# Altium PCB Copy of Main.PcbDoc (part 3 of 6)
Units mm, origin at the board's own origin, x right, y up, seen from the top; angles counter-clockwise.
Board outline 181.65 x 83.38 mm, 6 copper layers (Top Layer, Signal 1, GND, VCC, Signal 2, Bottom Layer), stack 0.816 mm thick; 297 components, 263 nets, 1171 pads, 811 vias.
Unrouted connection lines stored in the file: 292.
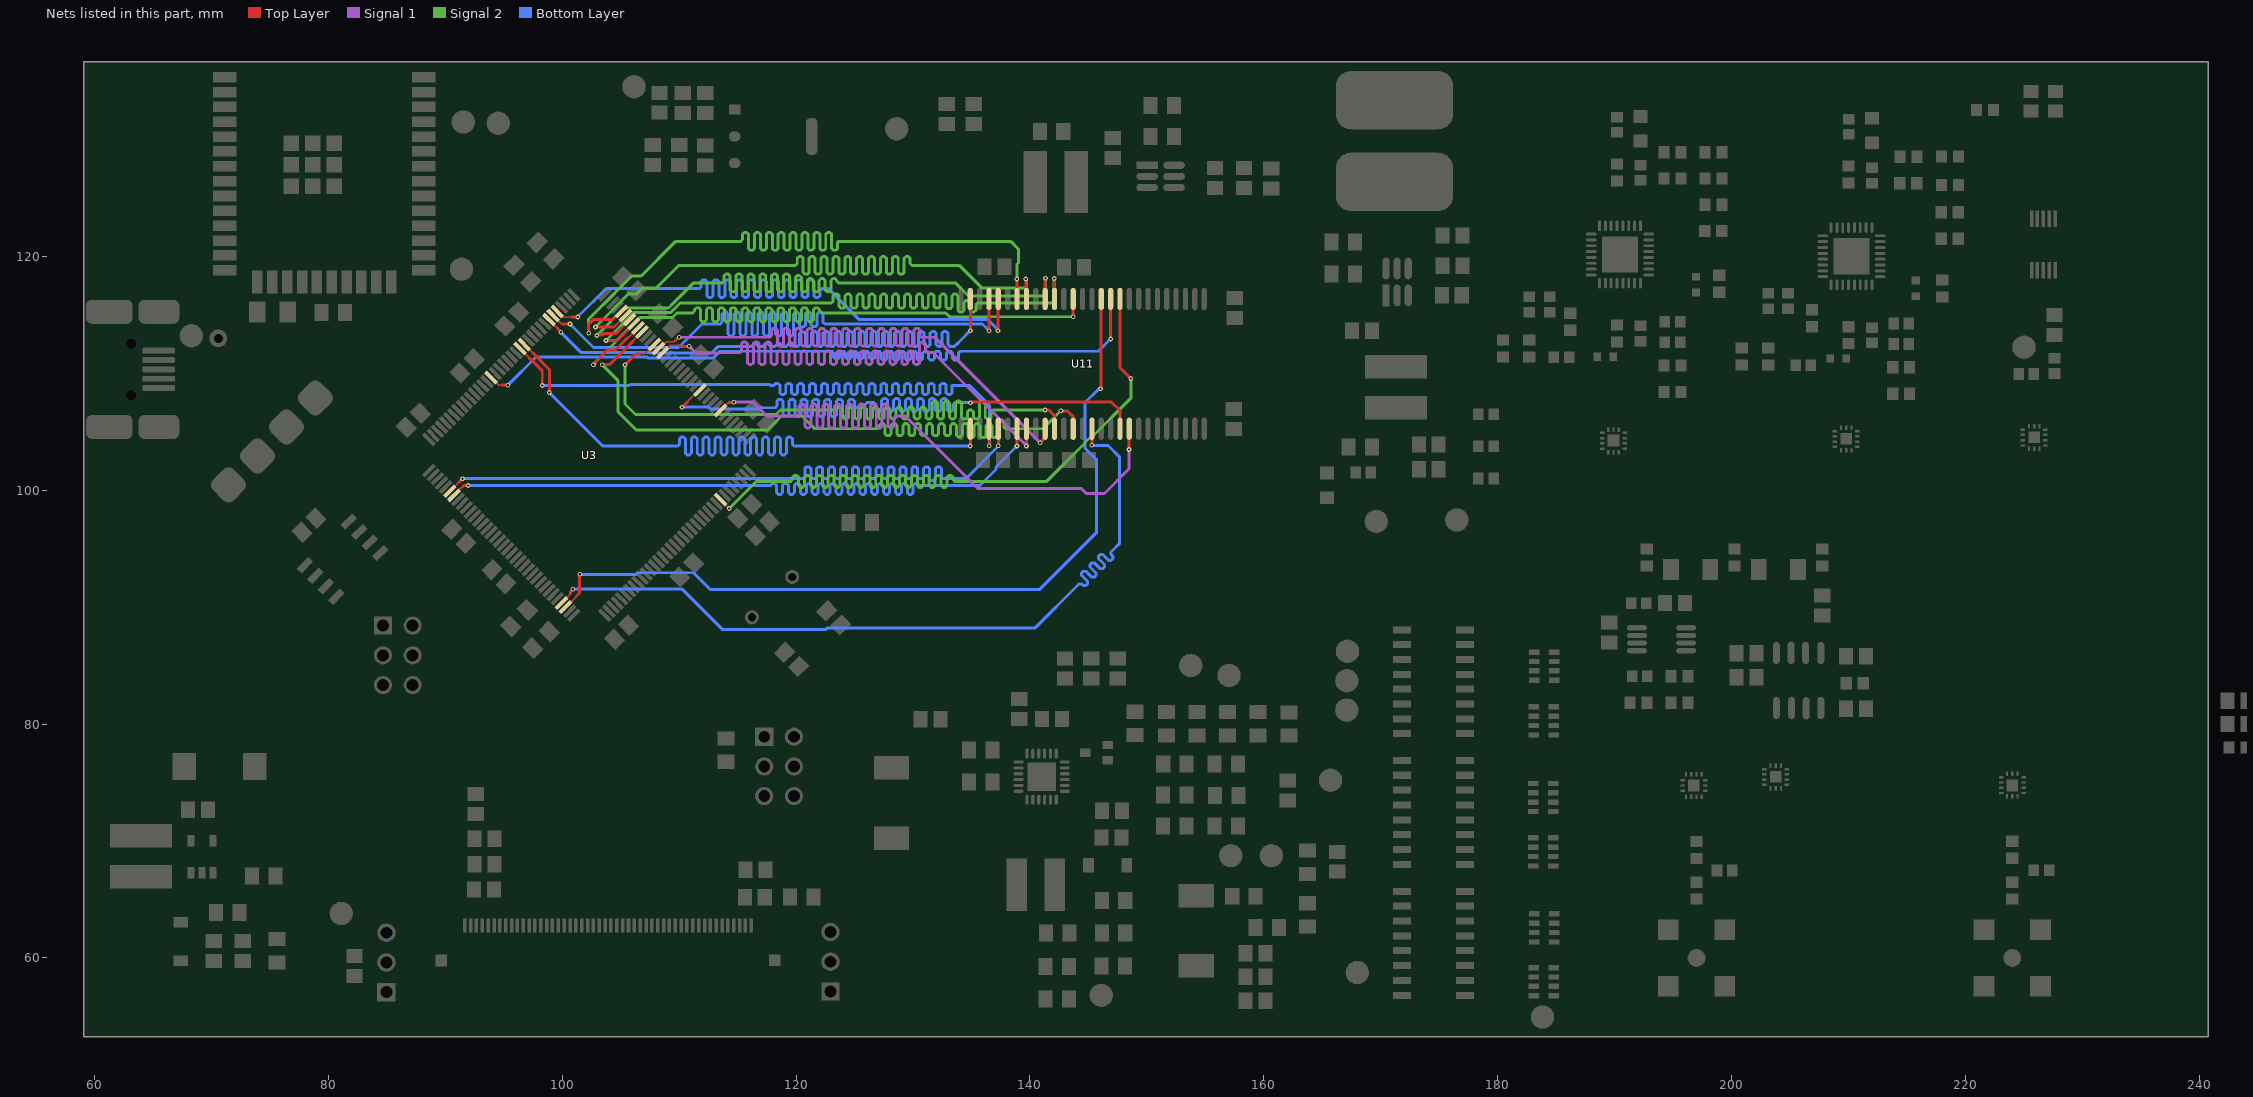
[diagram p6: the nets of this part, all layers, seen from the top]

## Via types
v1: diameter 0.8, hole 0.6, Top Layer to Bottom Layer, tented both sides, 397 vias
v2: diameter 0.45, hole 0.2, Top Layer to Bottom Layer, tented both sides, 228 vias
v3: diameter 0.4, hole 0.2, Top Layer to Bottom Layer, tented both sides, 138 vias
v4: diameter 0.45, hole 0.2, Top Layer to Bottom Layer, 25 vias
v5: diameter 0.5, hole 0.2, Top Layer to Bottom Layer, tented both sides, 23 vias

## Nets (pads, with @x,y where several pads share a name; then routed paths per layer and width w, separated by ;. In a path a pad name is that pad's centre, name@x,y a point inside that pad or via, vN(x,y) a via of type N, cw(c..) or ccw(c..) an arc to the next point about the centre after c; other vN are vias at no path point) (continued)
FMC_CKE: U3.29 U11.37 | length 70.6
  Top Layer w0.127: U3.29@113.55,99.199 113.55,99.175 114.15,98.575
  Top Layer w0.254: 114.15,98.575 v3(114.3,98.425) ; U11.37@147.7,116.35 147.7,110.475 v3(148.625,109.55)
  Signal 2 w0.254: v3(114.3,98.425) 116.625,100.75 119.45,100.75 119.552,100.75 119.704,100.902 119.704,101.106 119.856,101.258 120.06,101.258 120.212,101.106 120.212,100.75 120.212,100.394 120.364,100.242 120.568,100.242 120.72,100.394 120.72,100.75 120.72,101.106 120.872,101.258 121.076,101.258 121.228,101.106 121.228,100.75 121.228,100.394 121.38,100.242 121.584,100.242 121.736,100.394 121.736,100.75 121.736,101.106 121.888,101.258 122.092,101.258 122.244,101.106 122.244,100.75 122.244,100.394 122.396,100.242 122.6,100.242 122.752,100.394 122.752,100.75 122.752,101.106 122.904,101.258 123.108,101.258 123.26,101.106 123.26,100.75 123.26,100.394 123.412,100.242 123.616,100.242 123.768,100.394 123.768,100.75 123.768,101.106 123.92,101.258 124.124,101.258 124.276,101.106 124.276,100.75 124.276,100.394 124.428,100.242 124.632,100.242 124.784,100.394 124.784,100.75 124.784,101.106 124.936,101.258 125.14,101.258 125.292,101.106 125.292,100.75 125.292,100.394 125.444,100.242 125.648,100.242 125.8,100.394 125.8,100.75 125.8,101.106 125.952,101.258 126.156,101.258 126.308,101.106 126.308,100.75 126.308,100.394 126.46,100.242 126.664,100.242 126.816,100.394 126.816,100.75 126.816,101.106 126.968,101.258 127.172,101.258 127.324,101.106 127.324,100.75 127.324,100.394 127.476,100.242 127.68,100.242 127.832,100.394 127.832,100.75 127.832,101.106 127.984,101.258 128.188,101.258 128.34,101.106 128.34,100.75 128.34,100.394 128.492,100.242 128.696,100.242 128.848,100.394 128.848,100.75 128.848,101.106 129,101.258 129.204,101.258 129.356,101.106 129.356,100.75 129.356,100.394 129.508,100.242 129.712,100.242 129.864,100.394 129.864,100.75 129.864,101.106 130.016,101.258 130.22,101.258 130.372,101.106 130.372,100.75 130.372,100.394 130.524,100.242 130.728,100.242 130.88,100.394 130.88,100.75 130.88,101.106 131.032,101.258 131.236,101.258 131.388,101.106 131.388,100.75 131.388,100.394 131.54,100.242 131.744,100.242 131.896,100.394 131.896,100.75 131.896,101.106 132.048,101.258 132.252,101.258 132.404,101.106 132.404,100.75 132.404,100.394 132.556,100.242 132.76,100.242 132.912,100.394 132.912,100.75 132.912,101.106 133.064,101.258 133.268,101.258 133.42,101.106 133.42,100.902 133.572,100.75 133.775,100.75 141.432,100.75 144.719,104.037 144.719,104.066 145.059,104.406 145.181,104.406 148.625,107.85 v3(148.625,109.55)
FMC_CLK: U3.93 U11.38 | length 70.4
  Top Layer w0.127: U3.93@93.928,109.629 94.582,108.975 94.8,108.975
  Top Layer w0.254: 94.8,108.975 v3(95.35,108.975) ; v3(146.9,112.925) U11.38@146.9,116.35
  Bottom Layer w0.254: v3(95.35,108.975) 97.756,111.381 107.291,111.381 107.357,111.315 112.943,111.315 113.503,111.875 122.45,111.875 122.704,111.875 123.06,111.875 123.212,111.723 123.212,111.367 123.364,111.215 123.568,111.215 123.72,111.367 123.72,111.723 123.872,111.875 124.076,111.875 124.228,111.723 124.228,111.367 124.38,111.215 124.584,111.215 124.736,111.367 124.736,111.723 124.888,111.875 125.092,111.875 125.244,111.723 125.244,111.367 125.396,111.215 125.6,111.215 125.752,111.367 125.752,111.723 125.904,111.875 126.108,111.875 126.26,111.723 126.26,111.367 126.412,111.215 126.616,111.215 126.768,111.367 126.768,111.723 126.92,111.875 127.124,111.875 127.276,111.723 127.276,111.265 127.428,111.113 127.632,111.113 127.784,111.265 127.784,111.723 127.936,111.875 128.14,111.875 128.292,111.723 128.292,111.265 128.444,111.113 128.648,111.113 128.8,111.265 128.8,111.723 128.952,111.875 129.156,111.875 129.308,111.723 129.308,111.265 129.46,111.113 129.664,111.113 129.816,111.265 129.816,111.723 129.968,111.875 130.172,111.875 130.324,111.723 130.324,111.265 130.476,111.113 130.68,111.113 130.832,111.265 130.832,111.723 130.984,111.875 131.188,111.875 131.34,111.723 131.34,111.265 131.492,111.113 131.696,111.113 131.848,111.265 131.848,111.723 132,111.875 132.204,111.875 132.356,111.723 132.356,111.265 132.508,111.113 132.712,111.113 132.864,111.265 132.864,111.723 133.016,111.875 133.22,111.875 133.372,111.723 133.372,111.265 133.524,111.113 133.728,111.113 133.88,111.265 133.88,111.723 134.032,111.875 134.25,111.875 145.85,111.875 v3(146.9,112.925)
FMC_CS: U3.44 U11.19 | length 72.2
  Top Layer w0.127: U3.44@113.55,106.801 114.25,107.5 114.275,107.5
  Top Layer w0.254: 114.275,107.5 114.65,107.5 v3(114.675,107.525) ; v3(148.475,103.475) 148.487,103.487 148.487,105.238 U11.19@148.5,105.25
  Signal 1 w0.254: v3(114.675,107.525) 116.318,107.525 117.507,106.336 120.001,106.336 120.103,106.336 120.255,106.489 120.255,107.2 120.408,107.352 120.611,107.352 120.763,107.2 120.763,106.336 120.763,105.473 120.916,105.32 121.119,105.32 121.271,105.473 121.271,106.336 121.271,107.2 121.424,107.352 121.627,107.352 121.779,107.2 121.779,106.336 121.779,105.473 121.932,105.32 122.135,105.32 122.287,105.473 122.287,106.336 122.287,107.2 122.44,107.352 122.643,107.352 122.795,107.2 122.795,106.336 122.795,105.473 122.948,105.32 123.151,105.32 123.303,105.473 123.303,106.336 123.303,107.2 123.456,107.352 123.659,107.352 123.811,107.2 123.811,106.336 123.811,105.473 123.964,105.32 124.167,105.32 124.319,105.473 124.319,106.336 124.319,107.2 124.472,107.352 124.675,107.352 124.827,107.2 124.827,106.336 124.827,105.473 124.98,105.32 125.183,105.32 125.335,105.473 125.335,106.336 125.335,107.2 125.488,107.352 125.691,107.352 125.843,107.2 125.843,106.336 125.843,105.473 125.996,105.32 126.199,105.32 126.351,105.473 126.351,106.336 126.351,107.2 126.504,107.352 126.707,107.352 126.859,107.2 126.859,106.336 126.859,105.473 127.012,105.32 127.215,105.32 127.367,105.473 127.367,106.336 127.367,107.2 127.52,107.352 127.723,107.352 127.875,107.2 127.875,106.336 127.875,105.473 128.028,105.32 128.231,105.32 128.383,105.473 128.383,106.184 128.536,106.336 128.559,106.336 129.339,106.336 135.55,100.125 144.409,100.125 144.815,99.719 146.369,99.719 148.475,101.825 v3(148.475,103.475)
FMC_D0: U3.85 U11.2 | length 69.8
  Top Layer w0.127: U3.85@96.757,112.458 97.514,111.7 97.525,111.7
  Top Layer w0.254: 97.525,111.7 98.9,110.325 v3(98.9,108.35) ; v3(134.9,103.775) U11.2@134.9,105.25
  Bottom Layer w0.254: v3(98.9,108.35) 103.475,103.775 109.775,103.775 109.877,103.775 110.029,103.927 110.029,104.385 110.181,104.537 110.385,104.537 110.537,104.385 110.537,103.775 110.537,103.165 110.689,103.013 110.893,103.013 111.045,103.165 111.045,103.775 111.045,104.385 111.197,104.537 111.401,104.537 111.553,104.385 111.553,103.775 111.553,103.165 111.705,103.013 111.909,103.013 112.061,103.165 112.061,103.775 112.061,104.385 112.213,104.537 112.417,104.537 112.569,104.385 112.569,103.775 112.569,103.165 112.721,103.013 112.925,103.013 113.077,103.165 113.077,103.775 113.077,104.385 113.229,104.537 113.433,104.537 113.585,104.385 113.585,103.775 113.585,103.165 113.737,103.013 113.941,103.013 114.093,103.165 114.093,103.775 114.093,104.385 114.245,104.537 114.449,104.537 114.601,104.385 114.601,103.775 114.601,103.165 114.753,103.013 114.957,103.013 115.109,103.165 115.109,103.775 115.109,104.385 115.261,104.537 115.465,104.537 115.617,104.385 115.617,103.775 115.617,103.165 115.769,103.013 115.973,103.013 116.125,103.165 116.125,103.775 116.125,104.385 116.277,104.537 116.481,104.537 116.633,104.385 116.633,103.775 116.633,103.165 116.785,103.013 116.989,103.013 117.141,103.165 117.141,103.775 117.141,104.385 117.293,104.537 117.497,104.537 117.649,104.385 117.649,103.775 117.649,103.165 117.801,103.013 118.005,103.013 118.157,103.165 118.157,103.775 118.157,104.385 118.309,104.537 118.513,104.537 118.665,104.385 118.665,103.775 118.665,103.165 118.817,103.013 119.021,103.013 119.173,103.165 119.173,103.775 119.173,104.385 119.325,104.537 119.529,104.537 119.681,104.385 119.681,103.927 119.833,103.775 119.995,103.775 v3(134.9,103.775)
FMC_D1: U3.86 U11.4 | length 71.2
  Top Layer w0.127: U3.86@96.403,112.104 97.225,111.282 97.225,111.275
  Top Layer w0.254: 97.225,111.275 98.3,110.2 v3(98.3,108.95) ; U11.4@136.5,105.25 136.513,105.238 136.513,103.813 v3(136.525,103.8)
  Bottom Layer w0.254: v3(98.3,108.95) 105.728,108.95 105.815,109.036 117.745,109.036 117.85,108.931 118.06,108.931 118.104,108.975 118.256,109.127 118.46,109.127 118.612,108.975 118.612,108.931 118.612,108.321 118.764,108.169 118.968,108.169 119.12,108.321 119.12,108.931 119.12,108.975 119.272,109.127 119.476,109.127 119.628,108.975 119.628,108.931 119.628,108.321 119.78,108.169 119.984,108.169 120.136,108.321 120.136,108.931 120.136,108.975 120.288,109.127 120.492,109.127 120.644,108.975 120.644,108.931 120.644,108.321 120.796,108.169 121,108.169 121.152,108.321 121.152,108.931 121.152,108.975 121.304,109.127 121.508,109.127 121.66,108.975 121.66,108.931 121.66,108.321 121.812,108.169 122.016,108.169 122.168,108.321 122.168,108.931 122.168,108.975 122.32,109.127 122.524,109.127 122.676,108.975 122.676,108.931 122.676,108.321 122.828,108.169 123.032,108.169 123.184,108.321 123.184,108.931 123.184,108.975 123.336,109.127 123.54,109.127 123.692,108.975 123.692,108.931 123.692,108.321 123.844,108.169 124.048,108.169 124.2,108.321 124.2,108.931 124.2,108.975 124.352,109.127 124.556,109.127 124.708,108.975 124.708,108.931 124.708,108.321 124.86,108.169 125.064,108.169 125.216,108.321 125.216,108.931 125.216,108.975 125.368,109.127 125.572,109.127 125.724,108.975 125.724,108.931 125.724,108.321 125.876,108.169 126.08,108.169 126.232,108.321 126.232,108.931 126.232,108.975 126.384,109.127 126.588,109.127 126.74,108.975 126.74,108.931 126.74,108.321 126.892,108.169 127.096,108.169 127.248,108.321 127.248,108.931 127.248,108.975 127.4,109.127 127.604,109.127 127.756,108.975 127.756,108.931 127.756,108.321 127.908,108.169 128.112,108.169 128.264,108.321 128.264,108.931 128.264,108.975 128.416,109.127 128.62,109.127 128.772,108.975 128.772,108.931 128.772,108.321 128.924,108.169 129.128,108.169 129.28,108.321 129.28,108.931 129.28,108.975 129.432,109.127 129.636,109.127 129.788,108.975 129.788,108.931 129.788,108.321 129.94,108.169 130.144,108.169 130.296,108.321 130.296,108.931 130.296,108.975 130.448,109.127 130.652,109.127 130.804,108.975 130.804,108.931 130.804,108.321 130.956,108.169 131.16,108.169 131.312,108.321 131.312,108.931 131.312,108.975 131.464,109.127 131.668,109.127 131.82,108.975 131.82,108.931 131.82,108.321 131.972,108.169 132.176,108.169 132.328,108.321 132.328,108.931 132.328,108.975 132.48,109.127 132.684,109.127 132.836,108.975 132.836,108.931 132.836,108.321 132.988,108.169 133.192,108.169 133.344,108.321 133.344,108.925 133.35,108.931 134.844,108.931 136.525,107.25 v3(136.525,103.8)
FMC_D2: U3.114 U11.5 | length 70.5
  Top Layer w0.127: U3.114@90.393,99.906 91.211,100.725 91.225,100.725
  Top Layer w0.254: 91.225,100.725 v3(91.475,100.975) ; v3(137.3,103.8) U11.5@137.3,105.25
  Bottom Layer w0.254: v3(91.475,100.975) 91.481,100.981 120.5,100.981 120.602,100.981 120.754,101.133 120.754,101.845 120.906,101.997 121.11,101.997 121.262,101.845 121.262,101.133 121.414,100.981 121.618,100.981 121.77,101.133 121.77,101.845 121.922,101.997 122.126,101.997 122.278,101.845 122.278,101.133 122.43,100.981 122.634,100.981 122.786,101.133 122.786,101.845 122.938,101.997 123.142,101.997 123.294,101.845 123.294,101.133 123.446,100.981 123.65,100.981 123.802,101.133 123.802,101.845 123.954,101.997 124.158,101.997 124.31,101.845 124.31,101.133 124.462,100.981 124.666,100.981 124.818,101.133 124.818,101.845 124.97,101.997 125.174,101.997 125.326,101.845 125.326,101.133 125.478,100.981 125.682,100.981 125.834,101.133 125.834,101.845 125.986,101.997 126.19,101.997 126.342,101.845 126.342,101.133 126.494,100.981 126.698,100.981 126.85,101.133 126.85,101.845 127.002,101.997 127.206,101.997 127.358,101.845 127.358,101.133 127.51,100.981 127.714,100.981 127.866,101.133 127.866,101.845 128.018,101.997 128.222,101.997 128.374,101.845 128.374,101.133 128.526,100.981 128.73,100.981 128.882,101.133 128.882,101.845 129.034,101.997 129.238,101.997 129.39,101.845 129.39,101.133 129.542,100.981 129.746,100.981 129.898,101.133 129.898,101.845 130.05,101.997 130.254,101.997 130.406,101.845 130.406,101.133 130.558,100.981 130.762,100.981 130.914,101.133 130.914,101.845 131.066,101.997 131.27,101.997 131.422,101.845 131.422,100.981 131.422,100.956 131.574,100.804 131.778,100.804 131.93,100.956 131.93,100.981 131.93,101.845 132.082,101.997 132.286,101.997 132.438,101.845 132.438,101.118 132.575,100.981 134.528,100.981 137.106,103.559 137.106,103.566 137.3,103.76 v3(137.3,103.8)
FMC_D3: U3.115 U11.7 | length 69.9
  Top Layer w0.127: U3.115@90.746,99.553 91.468,100.275 91.475,100.275
  Top Layer w0.254: 91.475,100.275 91.594,100.394 91.716,100.394 91.722,100.4 v3(91.975,100.4) ; v3(138.9,103.775) U11.7@138.9,105.25
  Bottom Layer w0.254: v3(91.975,100.4) 117.575,100.4 117.804,100.4 117.829,100.425 117.981,100.577 118.185,100.577 118.337,100.425 118.337,100.4 118.337,99.79 118.489,99.638 118.693,99.638 118.845,99.79 118.845,100.4 118.845,100.425 118.997,100.577 119.201,100.577 119.353,100.425 119.353,100.4 119.353,99.79 119.505,99.638 119.709,99.638 119.861,99.79 119.861,100.4 119.861,100.425 120.013,100.577 120.217,100.577 120.369,100.425 120.369,100.4 120.369,99.79 120.521,99.638 120.725,99.638 120.877,99.79 120.877,100.4 120.877,100.425 121.029,100.577 121.233,100.577 121.385,100.425 121.385,100.4 121.385,99.79 121.537,99.638 121.741,99.638 121.893,99.79 121.893,100.4 121.893,100.425 122.045,100.577 122.249,100.577 122.401,100.425 122.401,100.4 122.401,99.79 122.553,99.638 122.757,99.638 122.909,99.79 122.909,100.4 122.909,100.425 123.061,100.577 123.265,100.577 123.417,100.425 123.417,100.4 123.417,99.79 123.569,99.638 123.773,99.638 123.925,99.79 123.925,100.4 123.925,100.425 124.077,100.577 124.281,100.577 124.433,100.425 124.433,100.4 124.433,99.79 124.585,99.638 124.789,99.638 124.941,99.79 124.941,100.4 124.941,100.425 125.093,100.577 125.297,100.577 125.449,100.425 125.449,100.4 125.449,99.79 125.601,99.638 125.805,99.638 125.957,99.79 125.957,100.4 125.957,100.425 126.109,100.577 126.313,100.577 126.465,100.425 126.465,100.4 126.465,99.79 126.617,99.638 126.821,99.638 126.973,99.79 126.973,100.4 126.973,100.425 127.125,100.577 127.329,100.577 127.481,100.425 127.481,100.4 127.481,99.79 127.633,99.638 127.837,99.638 127.989,99.79 127.989,100.4 127.989,100.425 128.141,100.577 128.345,100.577 128.497,100.425 128.497,100.4 128.497,99.79 128.649,99.638 128.853,99.638 129.005,99.79 129.005,100.4 129.005,100.425 129.157,100.577 129.361,100.577 129.513,100.425 129.513,100.4 129.513,99.79 129.665,99.638 129.869,99.638 130.021,99.79 130.021,100.4 130.021,100.425 130.173,100.577 130.377,100.577 130.529,100.425 130.554,100.4 130.825,100.4 135.732,100.4 137.094,101.762 137.094,101.969 v3(138.9,103.775)
FMC_D4: U3.58 U11.8 | length 72.1
  Top Layer w0.127: U3.58@108.601,111.75 109.225,112.375 110.05,112.375
  Top Layer w0.254: 110.05,112.375 110.125,112.3 v3(110.875,112.3) ; v3(139.7,103.775) U11.8@139.7,105.25
  Signal 1 w0.254: v3(110.875,112.3) 111.456,111.719 113.412,111.719 113.449,111.756 115.075,111.756 115.177,111.756 115.329,111.908 115.329,112.515 115.481,112.668 115.685,112.668 115.837,112.515 115.837,111.756 115.837,110.892 115.989,110.74 116.193,110.74 116.345,110.892 116.345,111.756 116.345,112.515 116.497,112.668 116.701,112.668 116.853,112.515 116.853,111.756 116.853,110.892 117.005,110.74 117.209,110.74 117.361,110.892 117.361,111.756 117.361,112.515 117.513,112.668 117.717,112.668 117.869,112.515 117.869,111.756 117.869,110.892 118.021,110.74 118.225,110.74 118.377,110.892 118.377,111.756 118.527,111.906 118.735,111.906 118.885,111.756 118.885,110.892 119.037,110.74 119.241,110.74 119.393,110.892 119.393,111.756 119.543,111.906 119.751,111.906 119.901,111.756 119.901,110.892 120.053,110.74 120.257,110.74 120.409,110.892 120.409,111.756 120.559,111.906 120.767,111.906 120.917,111.756 120.917,110.892 121.069,110.74 121.273,110.74 121.425,110.892 121.425,111.756 121.575,111.906 121.783,111.906 121.933,111.756 121.933,110.892 122.085,110.74 122.289,110.74 122.441,110.892 122.441,111.756 122.591,111.906 122.799,111.906 122.949,111.756 122.949,110.892 123.101,110.74 123.305,110.74 123.457,110.892 123.457,111.756 123.607,111.906 123.815,111.906 123.965,111.756 123.965,110.892 124.117,110.74 124.321,110.74 124.473,110.892 124.473,111.756 124.623,111.906 124.831,111.906 124.981,111.756 124.981,110.892 125.133,110.74 125.337,110.74 125.489,110.892 125.489,111.756 125.639,111.906 125.847,111.906 125.997,111.756 125.997,110.892 126.149,110.74 126.353,110.74 126.505,110.892 126.505,111.756 126.655,111.906 126.863,111.906 127.013,111.756 127.013,110.892 127.165,110.74 127.369,110.74 127.521,110.892 127.521,111.756 127.671,111.906 127.879,111.906 128.029,111.756 128.029,110.892 128.181,110.74 128.385,110.74 128.537,110.892 128.537,111.756 128.687,111.906 128.895,111.906 129.045,111.756 129.045,110.892 129.197,110.74 129.401,110.74 129.553,110.892 129.553,111.756 129.703,111.906 129.911,111.906 130.061,111.756 130.061,110.892 130.213,110.74 130.417,110.74 130.569,110.892 130.569,111.756 130.569,112.515 130.721,112.668 130.925,112.668 131.077,112.515 131.077,111.908 131.229,111.756 131.585,111.756 131.741,111.756 131.92,111.576 132.236,111.261 139.7,103.797 v3(139.7,103.775)
FMC_D5: U3.59 U11.10 | length 71.7
  Top Layer w0.127: U3.59@108.247,112.104 108.334,112.104 108.903,112.673 109.573,112.673 109.65,112.75
  Top Layer w0.254: 109.65,112.75 109.972,113.072 v3(110.003,113.072) ; v3(140.882,104.055) 140.882,104.081 141.3,104.499 U11.10@141.3,105.25
  Signal 1 w0.254: v3(110.003,113.072) 117.644,113.072 117.746,113.072 117.898,113.224 117.898,113.681 118.05,113.834 118.254,113.834 118.406,113.681 118.406,113.072 118.406,112.462 118.558,112.31 118.762,112.31 118.914,112.462 118.914,113.072 118.914,113.681 119.066,113.834 119.27,113.834 119.422,113.681 119.422,113.072 119.422,112.462 119.574,112.31 119.778,112.31 119.93,112.462 119.93,113.072 119.93,113.681 120.082,113.834 120.286,113.834 120.438,113.681 120.438,113.072 120.438,112.462 120.59,112.31 120.794,112.31 120.946,112.462 120.946,113.072 120.946,113.681 121.098,113.834 121.302,113.834 121.454,113.681 121.454,113.072 121.454,112.462 121.606,112.31 121.81,112.31 121.962,112.462 121.962,113.072 121.962,113.681 122.114,113.834 122.318,113.834 122.47,113.681 122.47,113.072 122.47,112.462 122.622,112.31 122.826,112.31 122.978,112.462 122.978,113.072 122.978,113.681 123.13,113.834 123.334,113.834 123.486,113.681 123.486,113.072 123.486,112.462 123.638,112.31 123.842,112.31 123.994,112.462 123.994,113.072 123.994,113.681 124.146,113.834 124.35,113.834 124.502,113.681 124.502,113.072 124.502,112.462 124.654,112.31 124.858,112.31 125.01,112.462 125.01,113.072 125.01,113.681 125.162,113.834 125.366,113.834 125.518,113.681 125.518,113.072 125.518,112.462 125.67,112.31 125.874,112.31 126.026,112.462 126.026,113.072 126.026,113.681 126.178,113.834 126.382,113.834 126.534,113.681 126.534,113.072 126.534,112.462 126.686,112.31 126.89,112.31 127.042,112.462 127.042,113.072 127.042,113.681 127.194,113.834 127.398,113.834 127.55,113.681 127.55,113.072 127.55,112.462 127.702,112.31 127.906,112.31 128.058,112.462 128.058,113.072 128.058,113.681 128.21,113.834 128.414,113.834 128.566,113.681 128.566,113.072 128.566,112.462 128.718,112.31 128.922,112.31 129.074,112.462 129.074,113.072 129.074,113.681 129.226,113.834 129.43,113.834 129.582,113.681 129.582,113.072 129.582,112.462 129.734,112.31 129.938,112.31 130.09,112.462 130.09,113.072 130.09,113.681 130.242,113.834 130.446,113.834 130.598,113.681 130.598,113.124 130.65,113.072 131.865,113.072 v3(140.882,104.055)
FMC_D6: U3.60 U11.11 | length 70.2
  Top Layer w0.127: 106.65,111.65 107.086,111.65 U3.60@107.893,112.458
  Top Layer w0.254: v3(105.375,110.725) 106.3,111.65 106.65,111.65 ; v3(141.3,106.85) 141.6,106.85 142.1,106.35 U11.11@142.1,105.25
  Signal 2 w0.254: v3(105.375,110.725) 105.375,107.375 106.275,106.475 118.294,106.475 118.669,106.85 123.225,106.85 123.385,106.85 123.479,106.944 123.631,107.097 123.835,107.097 123.987,106.944 123.987,106.85 123.987,106.24 124.139,106.088 124.343,106.088 124.495,106.24 124.495,106.85 124.495,106.944 124.647,107.097 124.851,107.097 125.003,106.944 125.003,106.85 125.003,106.24 125.155,106.088 125.359,106.088 125.511,106.24 125.511,106.85 125.511,106.944 125.663,107.097 125.867,107.097 126.019,106.944 126.019,106.85 126.019,106.24 126.171,106.088 126.375,106.088 126.527,106.24 126.527,106.85 126.527,106.944 126.679,107.097 126.883,107.097 127.035,106.944 127.035,106.85 127.035,106.24 127.187,106.088 127.391,106.088 127.543,106.24 127.543,106.85 127.543,106.944 127.695,107.097 127.899,107.097 128.051,106.944 128.051,106.85 128.051,106.24 128.203,106.088 128.407,106.088 128.559,106.24 128.559,106.85 128.559,106.944 128.711,107.097 128.915,107.097 129.067,106.944 129.067,106.85 129.067,106.24 129.219,106.088 129.423,106.088 129.575,106.24 129.575,106.85 129.575,106.944 129.727,107.097 129.931,107.097 130.083,106.944 130.083,106.85 130.083,106.24 130.235,106.088 130.439,106.088 130.591,106.24 130.591,106.85 130.591,106.944 130.743,107.097 130.947,107.097 131.099,106.944 131.099,106.85 131.099,106.24 131.251,106.088 131.455,106.088 131.607,106.24 131.607,106.85 131.607,107.46 131.759,107.612 131.963,107.612 132.115,107.46 132.115,106.85 132.115,106.24 132.267,106.088 132.471,106.088 132.623,106.24 132.623,106.85 132.623,107.46 132.775,107.612 132.979,107.612 133.131,107.46 133.131,106.85 133.131,106.24 133.283,106.088 133.487,106.088 133.639,106.24 133.639,106.85 133.639,107.46 133.791,107.612 133.995,107.612 134.147,107.46 134.147,106.85 134.147,106.24 134.299,106.088 134.503,106.088 134.655,106.24 134.655,106.698 134.807,106.85 135.011,106.85 135.163,106.698 135.163,106.24 135.315,106.088 135.519,106.088 135.671,106.24 135.671,106.85 135.671,107.46 135.823,107.612 136.027,107.612 136.179,107.46 136.179,106.85 136.179,106.24 136.331,106.088 136.535,106.088 136.687,106.24 136.687,106.698 136.839,106.85 136.975,106.85 v3(141.3,106.85)
FMC_D7: U3.63 U11.13 | length 70.9
  Top Layer w0.127: 106.075,112.75 106.075,112.76 U3.63@106.833,113.518
  Top Layer w0.254: v3(103.425,110.725) 104.05,110.725 106.075,112.75 ; v3(142.65,106.8) 142.678,106.772 143.203,106.772 143.7,106.275 U11.13@143.7,105.25
  Signal 2 w0.254: v3(103.425,110.725) 104.761,109.389 104.761,106.714 106.331,105.144 117.563,105.144 118.755,106.336 120.514,106.336 121.6,105.25 126.85,105.25 126.952,105.25 127.104,105.402 127.104,105.532 127.256,105.684 127.46,105.684 127.612,105.532 127.612,105.25 127.612,104.806 127.764,104.654 127.968,104.654 128.12,104.806 128.12,105.25 128.12,105.532 128.272,105.684 128.476,105.684 128.628,105.532 128.628,105.25 128.628,104.806 128.78,104.654 128.984,104.654 129.136,104.806 129.136,105.25 129.136,105.532 129.288,105.684 129.492,105.684 129.644,105.532 129.644,105.25 129.644,104.806 129.796,104.654 130,104.654 130.152,104.806 130.152,105.25 130.152,105.532 130.304,105.684 130.508,105.684 130.66,105.532 130.66,105.25 130.66,104.806 130.812,104.654 131.016,104.654 131.168,104.806 131.168,105.25 131.168,105.532 131.32,105.684 131.524,105.684 131.676,105.532 131.676,105.25 131.676,104.806 131.828,104.654 132.032,104.654 132.184,104.806 132.184,105.25 132.184,105.532 132.336,105.684 132.54,105.684 132.692,105.532 132.692,105.25 132.692,104.806 132.844,104.654 133.048,104.654 133.2,104.806 133.2,105.25 133.2,105.532 133.352,105.684 133.556,105.684 133.708,105.532 133.708,105.25 133.708,104.714 133.86,104.562 134.064,104.562 134.216,104.714 134.216,105.25 134.216,105.532 134.368,105.684 134.572,105.684 134.724,105.532 134.724,105.25 134.724,104.64 134.876,104.488 135.08,104.488 135.232,104.64 135.232,105.25 135.232,105.532 135.384,105.684 135.588,105.684 135.74,105.532 135.74,105.25 135.74,104.64 135.892,104.488 136.096,104.488 136.248,104.64 136.248,105.25 136.248,105.532 136.4,105.684 136.604,105.684 136.756,105.532 136.756,105.25 136.756,104.64 136.908,104.488 137.112,104.488 137.264,104.64 137.264,105.25 137.264,105.86 137.416,106.012 137.62,106.012 137.772,105.86 137.772,105.402 137.924,105.25 141.1,105.25 v3(142.65,106.8)
FMC_D8: U3.64 U11.42 | length 70.7
  Top Layer w0.127: 105.6,113.025 105.632,113.025 U3.64@106.479,113.872
  Top Layer w0.254: v3(102.675,110.725) 102.675,110.765 102.844,110.934 102.844,110.966 103.874,111.995 104.57,111.995 105.6,113.025 ; v3(143.7,114.825) U11.42@143.7,116.35
  Signal 2 w0.254: v3(102.675,110.725) 102.675,110.765 102.844,110.934 102.844,110.966 106.643,114.765 109.433,114.765 109.824,115.156 111.075,115.156 111.177,115.156 111.329,115.308 111.329,115.444 111.481,115.596 111.685,115.596 111.837,115.444 111.837,115.156 111.837,114.546 111.989,114.394 112.193,114.394 112.345,114.546 112.345,115.156 112.345,115.444 112.497,115.596 112.701,115.596 112.853,115.444 112.853,115.156 112.853,114.546 113.005,114.394 113.209,114.394 113.361,114.546 113.361,115.156 113.361,115.444 113.513,115.596 113.717,115.596 113.869,115.444 113.869,115.156 113.869,114.546 114.021,114.394 114.225,114.394 114.377,114.546 114.377,115.156 114.377,115.444 114.529,115.596 114.733,115.596 114.885,115.444 114.885,115.156 114.885,114.546 115.037,114.394 115.241,114.394 115.393,114.546 115.393,115.156 115.393,115.444 115.545,115.596 115.749,115.596 115.901,115.444 115.901,115.156 115.901,114.546 116.053,114.394 116.257,114.394 116.409,114.546 116.409,115.156 116.409,115.444 116.561,115.596 116.765,115.596 116.917,115.444 116.917,115.156 116.917,114.546 117.069,114.394 117.273,114.394 117.425,114.546 117.425,115.156 117.425,115.444 117.577,115.596 117.781,115.596 117.933,115.444 117.933,115.156 117.933,114.546 118.085,114.394 118.289,114.394 118.441,114.546 118.441,115.156 118.441,115.444 118.593,115.596 118.797,115.596 118.949,115.444 118.949,115.156 118.949,114.546 119.101,114.394 119.305,114.394 119.457,114.546 119.457,115.156 119.457,115.444 119.609,115.596 119.813,115.596 119.965,115.444 119.965,115.156 119.965,114.546 120.117,114.394 120.321,114.394 120.473,114.546 120.473,115.156 120.473,115.444 120.625,115.596 120.829,115.596 120.981,115.444 120.981,115.156 120.981,114.546 121.133,114.394 121.337,114.394 121.489,114.546 121.489,115.156 121.489,115.444 121.641,115.596 121.845,115.596 121.997,115.444 121.997,115.308 122.149,115.156 122.229,115.156 132.806,115.156 133.137,114.825 v3(143.7,114.825)
FMC_D9: U3.65 U11.44 | length 71
  Top Layer w0.127: 105.325,113.4 105.325,113.425 U3.65@106.126,114.225
  Top Layer w0.254: v3(103.75,112.8) 104.725,112.8 105.325,113.4 ; v3(142.075,118.1) 142.1,118.075 U11.44@142.1,116.35
  Signal 2 w0.254: v3(103.75,112.8) 106.119,115.169 109.266,115.169 110.097,116 122.925,116 123.027,116 123.179,116.152 123.179,116.61 123.331,116.762 123.535,116.762 123.687,116.61 123.687,116 123.687,115.712 123.839,115.56 124.043,115.56 124.195,115.712 124.195,116 124.195,116.61 124.347,116.762 124.551,116.762 124.703,116.61 124.703,116 124.703,115.712 124.855,115.56 125.059,115.56 125.211,115.712 125.211,116 125.211,116.61 125.363,116.762 125.567,116.762 125.719,116.61 125.719,116 125.719,115.712 125.871,115.56 126.075,115.56 126.227,115.712 126.227,116 126.227,116.61 126.379,116.762 126.583,116.762 126.735,116.61 126.735,116 126.735,115.712 126.887,115.56 127.091,115.56 127.243,115.712 127.243,116 127.243,116.61 127.395,116.762 127.599,116.762 127.751,116.61 127.751,116 127.751,115.712 127.903,115.56 128.107,115.56 128.259,115.712 128.259,116 128.259,116.61 128.411,116.762 128.615,116.762 128.767,116.61 128.767,116 128.767,115.712 128.919,115.56 129.123,115.56 129.275,115.712 129.275,116 129.275,116.61 129.427,116.762 129.631,116.762 129.783,116.61 129.783,116 129.783,115.712 129.935,115.56 130.139,115.56 130.291,115.712 130.291,116 130.291,116.61 130.443,116.762 130.647,116.762 130.799,116.61 130.799,116 130.799,115.712 130.951,115.56 131.155,115.56 131.307,115.712 131.307,116 131.307,116.61 131.459,116.762 131.663,116.762 131.815,116.61 131.815,116 131.815,115.712 131.967,115.56 132.171,115.56 132.323,115.712 132.323,116 132.323,116.61 132.475,116.762 132.679,116.762 132.831,116.61 132.831,116 132.831,115.671 132.983,115.519 133.187,115.519 133.339,115.671 133.339,116 133.339,116.61 133.491,116.762 133.695,116.762 133.847,116.61 133.847,116 133.847,115.39 133.999,115.238 134.203,115.238 134.355,115.39 134.355,116 134.355,116.046 134.507,116.198 134.711,116.198 134.863,116.046 134.863,116 134.863,115.39 135.015,115.238 135.219,115.238 135.371,115.39 135.371,115.848 135.523,116 135.825,116 141.85,116 142.075,116.225 v3(142.075,118.1)
FMC_D10: U3.66 U11.45 | length 70.1
  Top Layer w0.127: 105,113.8 105,113.807 U3.66@105.772,114.579
  Top Layer w0.254: v3(102.95,113.225) 102.978,113.253 103.381,113.253 103.509,113.381 104.581,113.381 105,113.8 ; U11.45@141.3,116.35 141.3,118.1 v3(141.325,118.125)
  Signal 2 w0.254: v3(102.95,113.225) 105.298,115.573 108.596,115.573 109.098,115.573 109.453,115.928 111.25,117.725 113.6,117.725 113.702,117.725 113.854,117.877 113.854,118.335 114.006,118.487 114.21,118.487 114.362,118.335 114.362,117.725 114.362,117.115 114.514,116.963 114.718,116.963 114.87,117.115 114.87,117.725 114.87,118.335 115.022,118.487 115.226,118.487 115.378,118.335 115.378,117.725 115.378,117.115 115.53,116.963 115.734,116.963 115.886,117.115 115.886,117.725 115.886,118.335 116.038,118.487 116.242,118.487 116.394,118.335 116.394,117.725 116.394,117.115 116.546,116.963 116.75,116.963 116.902,117.115 116.902,117.725 116.902,118.335 117.054,118.487 117.258,118.487 117.41,118.335 117.41,117.725 117.41,117.115 117.562,116.963 117.766,116.963 117.918,117.115 117.918,117.725 117.918,118.335 118.07,118.487 118.274,118.487 118.426,118.335 118.426,117.725 118.426,117.115 118.578,116.963 118.782,116.963 118.934,117.115 118.934,117.725 118.934,118.335 119.086,118.487 119.29,118.487 119.442,118.335 119.442,117.725 119.442,117.115 119.594,116.963 119.798,116.963 119.95,117.115 119.95,117.725 119.95,118.198 120.102,118.351 120.306,118.351 120.458,118.198 120.458,117.725 120.458,117.115 120.61,116.963 120.814,116.963 120.966,117.115 120.966,117.725 120.966,117.936 121.118,118.088 121.322,118.088 121.474,117.936 121.474,117.725 121.474,117.115 121.626,116.963 121.83,116.963 121.982,117.115 121.982,117.725 121.982,117.936 122.134,118.088 122.338,118.088 122.49,117.936 122.49,117.725 122.49,117.115 122.642,116.963 122.846,116.963 122.998,117.115 122.998,117.725 122.998,117.936 123.15,118.088 123.354,118.088 123.506,117.936 123.506,117.844 123.625,117.725 133.625,117.725 134.75,116.6 141.325,116.6 v3(141.325,118.125)
FMC_D11: U3.67 U11.47 | length 70.7
  Top Layer w0.127: 104.6,114.125 104.611,114.125 U3.67@105.419,114.932
  Top Layer w0.254: v3(102.85,113.95) 104.425,113.95 104.6,114.125 ; v3(139.65,118.05) 139.675,118.025 139.675,116.375 U11.47@139.7,116.35
  Signal 2 w0.254: v3(102.85,113.95) 105.685,116.785 106.385,116.785 106.9,117.3 108.075,117.3 110,119.225 119.85,119.225 119.952,119.225 120.104,119.377 120.104,119.835 120.256,119.987 120.46,119.987 120.612,119.835 120.612,119.225 120.612,118.615 120.764,118.463 120.968,118.463 121.12,118.615 121.12,119.225 121.12,119.835 121.272,119.987 121.476,119.987 121.628,119.835 121.628,119.225 121.628,118.615 121.78,118.463 121.984,118.463 122.136,118.615 122.136,119.225 122.136,119.835 122.288,119.987 122.492,119.987 122.644,119.835 122.644,119.225 122.644,118.615 122.796,118.463 123,118.463 123.152,118.615 123.152,119.225 123.152,119.835 123.304,119.987 123.508,119.987 123.66,119.835 123.66,119.225 123.66,118.615 123.812,118.463 124.016,118.463 124.168,118.615 124.168,119.225 124.168,119.835 124.32,119.987 124.524,119.987 124.676,119.835 124.676,119.225 124.676,118.615 124.828,118.463 125.032,118.463 125.184,118.615 125.184,119.225 125.184,119.835 125.336,119.987 125.54,119.987 125.692,119.835 125.692,119.225 125.692,118.615 125.844,118.463 126.048,118.463 126.2,118.615 126.2,119.225 126.2,119.835 126.352,119.987 126.556,119.987 126.708,119.835 126.708,119.225 126.708,118.615 126.86,118.463 127.064,118.463 127.216,118.615 127.216,119.225 127.216,119.835 127.368,119.987 127.572,119.987 127.724,119.835 127.724,119.225 127.724,118.615 127.876,118.463 128.08,118.463 128.232,118.615 128.232,119.225 128.232,119.835 128.384,119.987 128.588,119.987 128.74,119.835 128.74,119.225 128.74,118.615 128.892,118.463 129.096,118.463 129.248,118.615 129.248,119.225 129.248,119.835 129.4,119.987 129.604,119.987 129.756,119.835 129.756,119.377 129.908,119.225 130,119.225 133.95,119.225 135.875,117.3 139.725,117.3 139.725,117.975 v3(139.65,118.05)
FMC_D12: U3.68 U11.48 | length 70.7
  Top Layer w0.127: 104.35,114.575 104.354,114.575 U3.68@105.065,115.286
  Top Layer w0.254: v3(102.275,113.425) 102.269,113.431 102.269,114.191 102.653,114.575 104.35,114.575 ; v3(138.875,118.05) 138.887,118.038 138.887,116.363 U11.48@138.9,116.35
  Signal 2 w0.254: v3(102.275,113.425) 102.269,113.431 102.269,114.639 105.949,118.319 106.762,118.319 109.718,121.275 115.175,121.275 115.277,121.275 115.429,121.427 115.429,121.885 115.581,122.037 115.785,122.037 115.937,121.885 115.937,121.275 115.937,120.665 116.089,120.513 116.293,120.513 116.445,120.665 116.445,121.275 116.445,121.885 116.597,122.037 116.801,122.037 116.953,121.885 116.953,121.275 116.953,120.665 117.105,120.513 117.309,120.513 117.461,120.665 117.461,121.275 117.461,121.885 117.613,122.037 117.817,122.037 117.969,121.885 117.969,121.275 117.969,120.665 118.121,120.513 118.325,120.513 118.477,120.665 118.477,121.275 118.477,121.885 118.629,122.037 118.833,122.037 118.985,121.885 118.985,121.275 118.985,120.665 119.137,120.513 119.341,120.513 119.493,120.665 119.493,121.275 119.493,121.885 119.645,122.037 119.849,122.037 120.001,121.885 120.001,121.275 120.001,120.665 120.153,120.513 120.357,120.513 120.509,120.665 120.509,121.275 120.509,121.885 120.661,122.037 120.865,122.037 121.017,121.885 121.017,121.275 121.017,120.665 121.169,120.513 121.373,120.513 121.525,120.665 121.525,121.275 121.525,121.885 121.677,122.037 121.881,122.037 122.033,121.885 122.033,121.275 122.033,120.665 122.185,120.513 122.389,120.513 122.541,120.665 122.541,121.275 122.541,121.885 122.693,122.037 122.897,122.037 123.049,121.885 123.049,121.275 123.049,120.665 123.201,120.513 123.405,120.513 123.557,120.665 123.557,121.207 123.625,121.275 138.35,121.275 139.025,120.6 139.025,119.42 138.875,119.27 v3(138.875,118.05)
FMC_D13: U3.77 U11.50 | length 69.9
  Top Layer w0.127: U3.77@99.585,115.286 99.672,115.286 100.183,114.775 100.775,114.775 100.8,114.8
  Top Layer w0.254: 100.8,114.8 v3(101.325,114.8) ; v3(137.275,113.625) 137.288,113.637 137.288,116.338 U11.50@137.3,116.35
  Bottom Layer w0.254: v3(101.325,114.8) 103.751,117.226 111.625,117.226 111.727,117.226 111.879,117.378 111.879,117.835 112.031,117.988 112.235,117.988 112.387,117.835 112.387,117.226 112.387,116.616 112.539,116.464 112.743,116.464 112.895,116.616 112.895,117.226 112.895,117.835 113.047,117.988 113.251,117.988 113.403,117.835 113.403,117.226 113.403,116.616 113.555,116.464 113.759,116.464 113.911,116.616 113.911,117.226 113.911,117.835 114.063,117.988 114.267,117.988 114.419,117.835 114.419,117.226 114.419,116.616 114.571,116.464 114.775,116.464 114.927,116.616 114.927,117.226 114.927,117.835 115.079,117.988 115.283,117.988 115.435,117.835 115.435,117.226 115.435,116.616 115.587,116.464 115.791,116.464 115.943,116.616 115.943,117.226 115.943,117.835 116.095,117.988 116.299,117.988 116.451,117.835 116.451,117.226 116.451,116.616 116.603,116.464 116.807,116.464 116.959,116.616 116.959,117.226 116.959,117.835 117.111,117.988 117.315,117.988 117.467,117.835 117.467,117.226 117.467,116.616 117.619,116.464 117.823,116.464 117.975,116.616 117.975,117.226 117.975,117.835 118.127,117.988 118.331,117.988 118.483,117.835 118.483,117.226 118.483,116.616 118.635,116.464 118.839,116.464 118.991,116.616 118.991,117.226 118.991,117.835 119.143,117.988 119.347,117.988 119.499,117.835 119.499,117.226 119.499,116.616 119.651,116.464 119.855,116.464 120.007,116.616 120.007,117.226 120.007,117.835 120.159,117.988 120.363,117.988 120.515,117.835 120.515,117.226 120.515,116.616 120.667,116.464 120.871,116.464 121.023,116.616 121.023,117.226 121.023,117.835 121.175,117.988 121.379,117.988 121.531,117.835 121.531,117.226 121.531,116.616 121.683,116.464 121.887,116.464 122.039,116.616 122.039,117.073 122.191,117.226 122.25,117.226 122.749,117.226 125.365,114.61 136.362,114.61 137.247,113.725 137.247,113.653 v3(137.275,113.625)
FMC_D14: U3.78 U11.51 | length 70.5
  Top Layer w0.127: U3.78@99.231,114.932 99.964,114.2 100.075,114.2
  Top Layer w0.254: 100.075,114.2 v3(100.675,114.2) ; U11.51@136.5,116.35 136.513,116.338 136.513,113.637 v3(136.525,113.625)
  Bottom Layer w0.254: v3(100.675,114.2) 102.686,112.189 109.942,112.189 111.959,114.206 113.425,114.206 113.527,114.206 113.679,114.358 113.679,115.07 113.831,115.222 114.035,115.222 114.187,115.07 114.187,114.206 114.187,113.342 114.339,113.19 114.543,113.19 114.695,113.342 114.695,114.206 114.695,115.07 114.847,115.222 115.051,115.222 115.203,115.07 115.203,114.206 115.203,113.342 115.355,113.19 115.559,113.19 115.711,113.342 115.711,114.206 115.711,115.07 115.863,115.222 116.067,115.222 116.219,115.07 116.219,114.206 116.219,113.342 116.371,113.19 116.575,113.19 116.727,113.342 116.727,114.206 116.727,115.07 116.879,115.222 117.083,115.222 117.235,115.07 117.235,114.206 117.235,113.342 117.387,113.19 117.591,113.19 117.743,113.342 117.743,114.206 117.743,115.07 117.895,115.222 118.099,115.222 118.251,115.07 118.251,114.206 118.251,113.342 118.403,113.19 118.607,113.19 118.759,113.342 118.759,114.206 118.759,115.07 118.911,115.222 119.115,115.222 119.267,115.07 119.267,114.206 119.267,113.342 119.419,113.19 119.623,113.19 119.775,113.342 119.775,114.206 119.775,115.07 119.927,115.222 120.131,115.222 120.283,115.07 120.283,114.206 120.283,114.099 120.435,113.946 120.639,113.946 120.791,114.099 120.791,114.206 120.791,115.07 120.943,115.222 121.147,115.222 121.299,115.07 121.299,114.206 121.299,114.126 121.451,113.974 121.655,113.974 121.807,114.126 121.807,114.206 121.807,115.07 121.959,115.222 122.163,115.222 122.315,115.07 122.315,114.358 122.467,114.206 122.675,114.206 135.944,114.206 v3(136.525,113.625)
FMC_D15: U3.79 U11.53 | length 69.9
  Top Layer w0.127: U3.79@98.878,114.579 99.6,113.857 99.6,113.85
  Top Layer w0.254: 99.6,113.85 99.6,113.825 99.88,113.545 v3(99.88,113.506) ; U11.53@134.9,116.35 134.913,116.338 134.913,113.637 v3(134.925,113.625)
  Bottom Layer w0.254: v3(99.88,113.506) 101.6,111.785 107.458,111.785 107.524,111.719 112.776,111.719 113.357,112.3 115.975,112.3 116.154,112.3 116.229,112.375 116.381,112.527 116.585,112.527 116.737,112.375 116.812,112.3 117.17,112.3 117.245,112.375 117.397,112.527 117.601,112.527 117.753,112.375 117.828,112.3 118.186,112.3 118.261,112.375 118.413,112.527 118.617,112.527 118.769,112.375 118.844,112.3 119.166,112.3 119.277,112.411 119.429,112.563 119.633,112.563 119.785,112.411 119.896,112.3 120.141,112.3 120.293,112.452 120.293,113.39 120.445,113.542 120.649,113.542 120.801,113.39 120.801,112.452 120.953,112.3 121.157,112.3 121.309,112.452 121.309,113.418 121.461,113.57 121.665,113.57 121.817,113.418 121.817,112.452 121.969,112.3 122.173,112.3 122.325,112.452 122.325,113.418 122.477,113.57 122.681,113.57 122.833,113.418 122.833,112.452 122.985,112.3 123.189,112.3 123.341,112.452 123.341,113.418 123.493,113.57 123.697,113.57 123.849,113.418 123.849,112.452 124.001,112.3 124.205,112.3 124.357,112.452 124.357,113.418 124.509,113.57 124.713,113.57 124.865,113.418 124.865,112.452 125.017,112.3 125.221,112.3 125.373,112.452 125.373,113.418 125.525,113.57 125.729,113.57 125.881,113.418 125.881,112.452 126.033,112.3 126.237,112.3 126.389,112.452 126.389,113.418 126.541,113.57 126.745,113.57 126.897,113.418 126.897,112.452 127.049,112.3 127.253,112.3 127.405,112.452 127.405,113.418 127.557,113.57 127.761,113.57 127.913,113.418 127.913,112.452 128.065,112.3 128.269,112.3 128.421,112.452 128.421,113.418 128.573,113.57 128.777,113.57 128.929,113.418 128.929,112.452 129.081,112.3 129.285,112.3 129.437,112.452 129.437,113.418 129.589,113.57 129.793,113.57 129.945,113.418 129.945,112.452 130.097,112.3 130.301,112.3 130.453,112.452 130.453,113.418 130.605,113.57 130.809,113.57 130.961,113.418 130.961,112.452 131.113,112.3 131.317,112.3 131.469,112.452 131.469,113.418 131.621,113.57 131.825,113.57 131.977,113.418 131.977,112.452 132.129,112.3 132.333,112.3 132.485,112.452 132.485,113.418 132.637,113.57 132.841,113.57 132.993,113.418 132.993,112.452 133.145,112.3 133.501,112.3 133.56,112.3 133.74,112.48 134.099,112.839 134.105,112.845 134.885,113.625 v3(134.925,113.625)
FMC_NBL0: U3.141 U11.15 | length 70.1
  Top Layer w0.127: U3.141@99.939,90.36 100.725,91.147
  Top Layer w0.254: 100.725,91.147 100.725,91.31 100.905,91.49 v3(100.905,91.529) ; v3(145.3,103.825) U11.15@145.3,105.25
  Bottom Layer w0.254: v3(100.905,91.529) 110.264,91.529 113.725,88.068 122.513,88.068 122.675,88.23 140.455,88.23 144.065,91.84 144.211,91.986 144.426,91.986 144.57,91.842 144.785,91.842 144.929,91.986 144.929,92.201 144.678,92.453 144.426,92.704 144.426,92.92 144.57,93.063 144.785,93.063 145.037,92.812 145.288,92.56 145.504,92.56 145.648,92.704 145.648,92.92 145.396,93.171 145.145,93.423 145.145,93.638 145.288,93.782 145.504,93.782 145.755,93.53 146.007,93.279 146.222,93.279 146.366,93.422 146.366,93.638 146.114,93.889 145.863,94.141 145.863,94.356 146.007,94.5 146.222,94.5 146.474,94.249 146.725,93.997 146.941,93.997 147.084,94.141 147.084,94.356 146.941,94.5 146.941,94.716 147.012,94.788 147.675,95.45 147.675,102.822 146.672,103.825 v3(145.3,103.825)
FMC_NBL1: U3.142 U11.39 | length 71.2
  Top Layer w0.127: U3.142@100.292,90.007 101.229,90.944
  Top Layer w0.254: 101.229,90.944 101.505,91.22 v3(101.505,92.805) ; v3(146.035,108.672) 146.063,108.7 146.063,116.313 U11.39@146.1,116.35
  Bottom Layer w0.254: v3(101.505,92.805) 106.323,92.805 106.454,92.935 111.233,92.935 112.65,91.518 140.843,91.518 145.681,96.356 145.681,102.622 144.719,103.584 144.719,107.494 145.897,108.672 v3(146.035,108.672)
FMC_RAS: U3.49 U11.18 | length 70.9
  Top Layer w0.127: 110.711,107.55 111.73,108.568 U3.49@111.783,108.568
  Top Layer w0.254: v3(110.255,107.094) 110.711,107.55 ; v3(134.925,107.475) 134.975,107.525 146.975,107.525 147.7,106.8 U11.18@147.7,105.25
  Bottom Layer w0.254: v3(110.255,107.094) 112.53,107.094 112.68,106.944 116.699,106.944 116.799,107.044 118.125,107.044 118.227,107.044 118.379,107.196 118.379,107.614 118.531,107.766 118.735,107.766 118.887,107.614 118.887,107.044 118.887,106.488 119.039,106.335 119.243,106.335 119.395,106.488 119.395,107.044 119.395,107.614 119.547,107.766 119.751,107.766 119.903,107.614 119.903,107.044 119.903,106.434 120.055,106.282 120.259,106.282 120.411,106.434 120.411,107.044 120.411,107.614 120.563,107.766 120.767,107.766 120.919,107.614 120.919,107.044 120.919,106.434 121.071,106.282 121.275,106.282 121.427,106.434 121.427,107.044 121.427,107.614 121.579,107.766 121.783,107.766 121.935,107.614 121.935,107.044 121.935,106.434 122.087,106.282 122.291,106.282 122.443,106.434 122.443,107.044 122.443,107.614 122.595,107.766 122.799,107.766 122.951,107.614 122.951,107.044 122.951,106.434 123.103,106.282 123.307,106.282 123.459,106.434 123.459,107.044 123.459,107.614 123.611,107.766 123.815,107.766 123.967,107.614 123.967,107.044 123.967,106.434 124.119,106.282 124.323,106.282 124.475,106.434 124.475,107.044 124.475,107.614 124.627,107.766 124.831,107.766 124.983,107.614 124.983,107.196 125.135,107.044 125.491,107.044 125.627,107.044 126.058,107.475 126.312,107.475 126.667,107.475 126.82,107.323 126.82,106.865 126.972,106.713 127.175,106.713 127.328,106.865 127.328,107.475 127.328,107.681 127.48,107.834 127.683,107.834 127.836,107.681 127.836,107.475 127.836,106.865 127.988,106.713 128.191,106.713 128.344,106.865 128.344,107.475 128.344,107.681 128.496,107.834 128.699,107.834 128.852,107.681 128.852,107.475 128.852,106.865 129.004,106.713 129.207,106.713 129.36,106.865 129.36,107.475 129.36,107.681 129.512,107.834 129.715,107.834 129.868,107.681 129.868,107.475 129.868,106.865 130.02,106.713 130.223,106.713 130.376,106.865 130.376,107.475 130.376,107.681 130.528,107.834 130.731,107.834 130.884,107.681 130.884,107.475 130.884,106.865 131.036,106.713 131.239,106.713 131.392,106.865 131.392,107.475 131.392,107.681 131.544,107.834 131.747,107.834 131.9,107.681 131.9,107.475 131.9,106.865 132.052,106.713 132.255,106.713 132.408,106.865 132.408,107.475 132.408,107.681 132.56,107.834 132.763,107.834 132.916,107.681 132.916,107.475 132.916,106.865 133.068,106.713 133.271,106.713 133.424,106.865 133.424,107.323 133.576,107.475 133.875,107.475 v3(134.925,107.475)